# Altium PCB Master_v1i3.PcbDoc (continued)
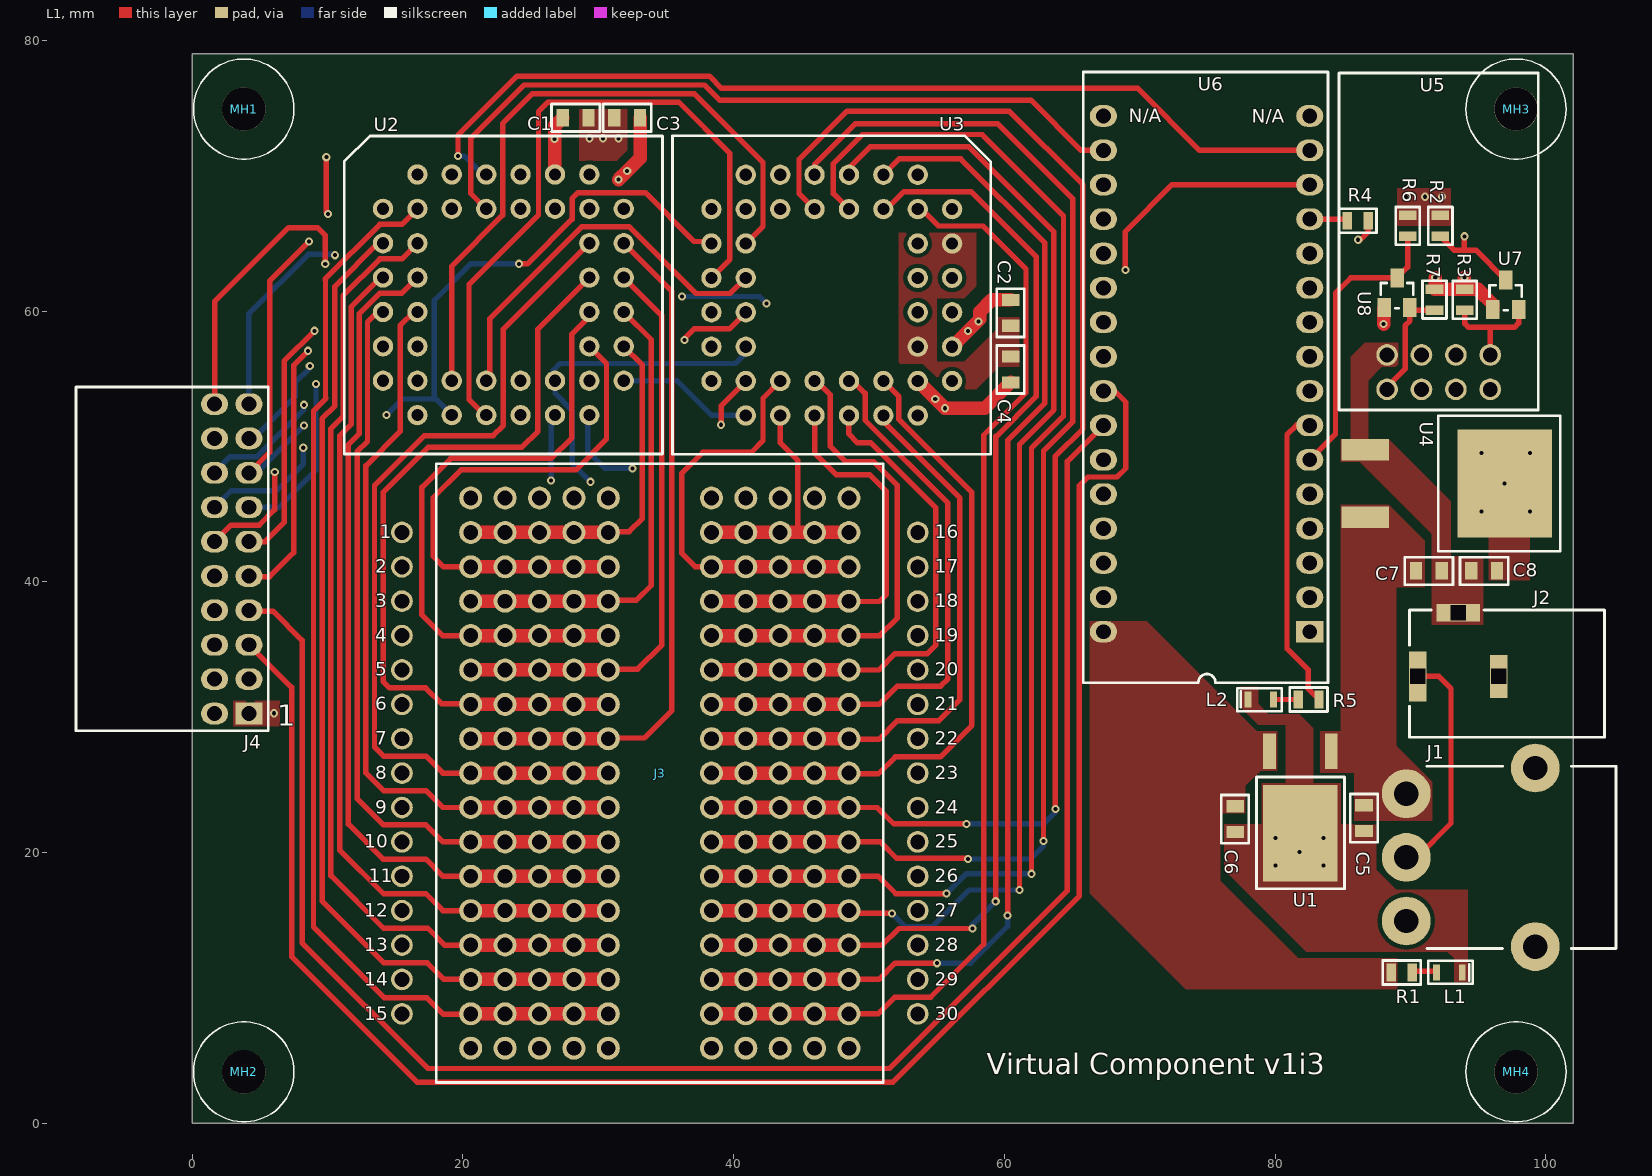
[diagram p0: L1 view]
## Footprints (in the part's own frame and the unit in brackets; to place one, negate y for a bottom-side part, rotate by r counter-clockwise, add the part's x,y. Pads: shape width x height; smd on the part's side, far side on the other; paste and mask are expansions set on the pad) (continued)
  silkscreen extent -16.51,-22.86 16.51,22.86, body extent -16.51,-22.86 16.51,22.86, height 9.54
PJ-002A [mm] "CONN PWR JACK 2X5.5MM SOLDER"
  rect 1.3x3.7 hole 1.1 square: 1(0,0)
  rect 1.3x3.2 hole 1.1 square: 2(6,0)
  rect 3.2x1.3 hole 1.1 square: 3(3,4.7)
  silkscreen extent -0.6,-4.5 13.8,4.9, body extent -0.6,-4.5 13.8,4.9, height 11.05
PLCC44_DIP [mm]
  round 1.5 hole 0.9: 1(1.27,6.35) 2(-1.27,8.89) 3(-1.27,6.35) 4(-3.81,8.89) 5(-3.81,6.35) 6(-6.35,8.89) 7(-8.89,6.35) 8(-6.35,6.35) 9(-8.89,3.81) 10(-6.35,3.81) 11(-8.89,1.27) 12(-6.35,1.27) 13(-8.89,-1.27) 14(-6.35,-1.27) 15(-8.89,-3.81) 16(-6.35,-3.81) 17(-8.89,-6.35) 18(-6.35,-8.89) 19(-6.35,-6.35) 20(-3.81,-8.89) 21(-3.81,-6.35) 22(-1.27,-8.89) 23(-1.27,-6.35) 24(1.27,-8.89) 25(1.27,-6.35) 26(3.81,-8.89) 27(3.81,-6.35) 28(6.35,-8.89) 29(8.89,-6.35) 30(6.35,-6.35) 31(8.89,-3.81) 32(6.35,-3.81) 33(8.89,-1.27) 34(6.35,-1.27) 35(8.89,1.27) 36(6.35,1.27) 37(8.89,3.81) 38(6.35,3.81) 39(8.89,6.35) 40(6.35,8.89) 41(6.35,6.35) 42(3.81,8.89) 43(3.81,6.35) 44(1.27,8.89)
  silkscreen extent -11.76,-11.76 11.76,11.73, body extent -11.59,-11.59 11.59,11.59, height 9
R0805 [mm]
  rect 0.7x1.3 smd: 1(-0.775,0) 2(0.775,0)
  silkscreen extent -1.4,-0.89 1.4,0.89, body extent -1.15,-0.67 1.15,0.68, height 0.77
"SLIDE SPDT" [mm] "500SSP1S1M6QEA"
  round 3.6 hole 1.8: 1(0,0) 2(4.7,0) 3(9.4,0) ""(-1.9,9.53) ""(11.3,9.53)
  silkscreen extent -2.03,1.52 11.43,15.49, body extent -2.03,-0.75 11.38,15.49, height 6.6
SOT-323 [mm]
  rect 1x1.4 smd: 1(-0.95,-1.1) 2(0.95,-1.1) 3(0,1.1)
  silkscreen extent -1.19,-1.14 1.19,0.71, body extent -1.05,-1.15 1.05,1.15, height 1

## Part data
C1 C2 C3 C4 C6: library part C805_100n
C5: library part C805_330n
C7 C8: library part C805_10u
J1: library part "SLIDE SPDT", "SWITCH SLIDE SPDT 5A 120V", Contact Current Rating=5A, Contact Resistance=10mR, Flammability Rating="UL94 V-0", Manufacturer=E-Switch, Max Operating Temperature=85°C, Max Voltage Rating (AC)=250V, Max Voltage Rating (DC)=28V, Min Operating Temperature=-30°C, Package Quantity=1, Supplier Part Number 1=EG2478-ND, Voltage Rating (AC)=120V, Actuator Length=4.72mm, Actuator Material=Nylon,Polyamide, ComponentLink1Description=https://datasheet.ciiva.com/16337/500-16337624.pdf, ComponentLink1URL=https://datasheet.ciiva.com/16337/500-16337624.pdf, ComponentLink2Description=https://datasheet.ciiva.com/16174/35500-16174234.pdf, ComponentLink2URL=https://datasheet.ciiva.com/16174/35500-16174234.pdf, ComponentLink3Description=https://datasheet.ciiva.com/2889/t511006d-2889419.pdf, ComponentLink3URL=https://datasheet.ciiva.com/2889/t511006d-2889419.pdf, Contact Material="Copper,Silver,Copper Alloy", Contact Plating=Silver, Current Rating=5A, Electrical Life=30000Cycles, Housing Material="Stainless Steel", Lead Free="Lead Free", Manufacturer Part Number=500SSP1S1M6QEA, Mechanical Life=30000Cycles, Mount="Through Hole,Brackets", Orientation="Right Angle", Packaging=Bulk, Pricing 1="1=2.93, 10=2.808, 25=2.7484, 50=2.39, 100=2.3303, 250=2.27052, 500=1.912, 1000=1.7925, 5000=1.64313 (USD)", REACH SVHC=Unknown, Stock 1=6111, Supplier 1=Digi-Key, Switch Function=On-On, Switch Travel=2.16mm, Termination="PC Pin", Throw Configuration=SPDT, Voltage Rating (DC)=28V
J2: "PJ-002 Series 2 x 6.5 mm 16 V Right Angle Through Hole Power Jack", Colour=Black, Current Rating=2.5A, Flammability Rating="UL94 V-0", Insulation Resistance=50MR, Manufacturer=CUI, Max Operating Temperature=85°C, Min Operating Temperature=-25°C, Package Quantity=500, Supplier Part Number 1=CP-002A-ND, Voltage Rating=24V, ComponentLink1Description=http://www.cui.com/product/resource/digikeypdf/pj-002a.pdf, ComponentLink1URL=http://www.cui.com/product/resource/digikeypdf/pj-002a.pdf, ComponentLink2Description=http://www.cui.com/Product/Resource/FuturePDF/PJ-002A.pdf, ComponentLink2URL=http://www.cui.com/Product/Resource/FuturePDF/PJ-002A.pdf, ComponentLink3Description=http://www.mouser.com/ds/2/670/pj-002a-515880.pdf, ComponentLink3URL=http://www.mouser.com/ds/2/670/pj-002a-515880.pdf, Connector Type=Jack, Contact Gender=Male, Contact Material="Copper,Copper Alloy", Contact Plating=Nickel,Tin, Diameter=2.1mm, Gender=Male, Housing Colour=Black, Housing Material=Thermoplastic, Lead Free="Lead Free", Manufacturer Part Number=PJ-002A, Mount="Through Hole", Number of Conductors=2, Orientation=Horizontal, Packaging=Bulk, Shielding=Unshielded, Stock 1=133077, Supplier 1=Digi-Key, Termination="Through Hole"
J3: library part 1738132-1, "Mini Breadboard", Colour=Natural, Manufacturer="TE Connectivity AMP", Supplier Part Number 1=1738132-1-ND, ComponentLink1Description=http://www.te.com/commerce/DocumentDelivery/DDEController?Action=srchrtrv&DocNm=1738132&DocType=Customer+Drawing&DocLang=English, ComponentLink1URL=http://www.te.com/commerce/DocumentDelivery/DDEController?Action=srchrtrv&DocNm=1738132&DocType=Customer+Drawing&DocLang=English, Gender=Male, Manufacturer Part Number=1738132-1, Stock 1=0, Supplier 1=Digi-Key
J4: library part "HDR Female 2x10_2.54", "CONN FMALE 20POS DL .1\" R/A GOLD", Colour=Black, Manufacturer=Sullins, Package Quantity=1000, Supplier Part Number 1=S5563-ND, ComponentLink1Description=http://www.sullinscorp.com/images/10494.pdf, ComponentLink1URL=http://www.sullinscorp.com/images/10494.pdf, ComponentLink2Description=http://sullinscorp.com/drawings/101_P(N)PxCxx2LJBN-RC,_10494-H.pdf, ComponentLink2URL=http://sullinscorp.com/drawings/101_P(N)PxCxx2LJBN-RC,_10494-H.pdf, Connector Type=Socket,Header, Contact Material=Bronze, Contact Plating=Gold, Height=5mm, Housing Colour=Black, Housing Material=Plastic, Lead Free="Lead Free", Length=25.9mm, Manufacturer Part Number=PPPC102LJBN-RC, Mount="Through Hole", Number of Positions=20, Number of Rows=2, Packaging=Bulk, Pitch=0.1inch, Row Spacing=0.1inch, Stock 1=12126, Supplier 1=Digi-Key, System=Connector, Termination=Solder, Width=8.5mm
L1 L2: "LED0805 any color"
MH1 MH2 MH3 MH4: library part MHNP, "Mounting hole 3.2mm non plated"
R1 R5: library part R0805_510
R2 R3 R4 R6 R7: library part R0805_10k
U1: "IC REG LDO 5V 1.5A DPAK", Case/Package=TO-252, Dropout Voltage=2V, Manufacturer=STMicroelectronics, Max Input Voltage=35V, Max Operating Temperature=125°C, Max Output Current=1.5A, Min Input Voltage=7V, Min Operating Temperature=0°C, Min Output Voltage=5V, Package Quantity=1, Power Supply Rejection Ratio (PSRR)=62dB, Quiescent Current=8mA, Supplier Part Number 1=497-7255-2-ND, ComponentLink1Description=https://datasheet.ciiva.com/2042/cd00000444-2042784.pdf, ComponentLink1URL=https://datasheet.ciiva.com/2042/cd00000444-2042784.pdf, ComponentLink2Description=https://datasheet.ciiva.com/2042/cd00000444-2042785.pdf, ComponentLink2URL=https://datasheet.ciiva.com/2042/cd00000444-2042785.pdf, ComponentLink3Description=https://datasheet.ciiva.com/16357/cd00000444-16357893.pdf, ComponentLink3URL=https://datasheet.ciiva.com/16357/cd00000444-16357893.pdf, ComponentLink4Description=https://datasheet.ciiva.com/4882/cd00000444-4882231.pdf, ComponentLink4URL=https://datasheet.ciiva.com/4882/cd00000444-4882231.pdf, ComponentLink5Description=https://datasheet.ciiva.com/17360/cd00000444-17360220.pdf, ComponentLink5URL=https://datasheet.ciiva.com/17360/cd00000444-17360220.pdf, ComponentLink6Description=https://datasheet.ciiva.com/2042/cd00000444-2042783.pdf, ComponentLink6URL=https://datasheet.ciiva.com/2042/cd00000444-2042783.pdf, ComponentLink7Description=https://datasheet.ciiva.com/26904/l7805cdt-tr-26904768.pdf, ComponentLink7URL=https://datasheet.ciiva.com/26904/l7805cdt-tr-26904768.pdf, Contact Plating=Tin,Matte, Height=2.4mm, Lead Free="Lead Free", Length=6.6mm, Manufacturer Part Number=L7805CDT-TR, Mount="Surface Mount", Number of Outputs=1, Number of Pins=3, Number of Regulators=1, Output Current=1.5A, Output Voltage=5V, Packaging="Tape and Reel", Polarity=Positive, Radiation Hardening=No, Stock 1=7500, Supplier 1=Digi-Key, Width=6.2mm
U2 U3: "SWITCH CROSSPOINT 16X16, SMD, 75019", Digital IC Case=LCC, Manufacturer="Analog Devices", Operating Temperature Max=85°C, Operating Temperature Min=-25°C, Supplier Part Number 1=AD75019JPZ-ND, Supply Voltage Max=5.5V, Supply Voltage Min=4.5V, ComponentLink1Description=https://datasheet.ciiva.com/3036/ad75019-3036466.pdf, ComponentLink1URL=https://datasheet.ciiva.com/3036/ad75019-3036466.pdf, ComponentLink2Description=https://datasheet.ciiva.com/1170/66420-1170438.pdf, ComponentLink2URL=https://datasheet.ciiva.com/1170/66420-1170438.pdf, ComponentLink3Description=https://datasheet.ciiva.com/26824/ad75019jpz-26824058.pdf, ComponentLink3URL=https://datasheet.ciiva.com/26824/ad75019jpz-26824058.pdf, Control Interface=Serial, Crosspoint Switch Type=Analogue, Input / Output Configuration=-, Manufacturer Part Number=AD75019JPZ, MSL="MSL 3 - 168 hours", No. of Pins=44Pins, Packaging=Each, Product Range=-, Stock 1=792, Supplier 1=Digi-Key, SVHC="No SVHC (17-Dec-2015)"
U4: "Fixed LDO Voltage Regulator, 6.3V to 30V, 1.3V Dropout, 3.3Vout, 3Aout, TO-263-3", Case/Package=TO-263, Dropout Voltage=1.3V, Input Bias Current=5mA, Manufacturer=STMicroelectronics, Max Input Voltage=30V, Max Operating Temperature=125°C, Max Output Current=3A, Max Output Voltage=3.333V, Min Input Voltage=6.3V, Min Operating Temperature=-40°C, Min Output Voltage=3.3V, Min Supply Voltage=4.9V, Output Voltage Accuracy=1%, Package Quantity=1, Quiescent Current=10mA, Supplier Part Number 1=497-1222-6-ND, Accuracy=1%, ComponentLink1Description=https://datasheet.ciiva.com/16375/cd00001883-16375381.pdf, ComponentLink1URL=https://datasheet.ciiva.com/16375/cd00001883-16375381.pdf, ComponentLink2Description=https://datasheet.ciiva.com/1511/1761309-1511542.pdf, ComponentLink2URL=https://datasheet.ciiva.com/1511/1761309-1511542.pdf, ComponentLink3Description=https://datasheet.ciiva.com/22694/1761309-22694841.pdf, ComponentLink3URL=https://datasheet.ciiva.com/22694/1761309-22694841.pdf, ComponentLink4Description=https://datasheet.ciiva.com/2044/cd00001883-2044187.pdf, ComponentLink4URL=https://datasheet.ciiva.com/2044/cd00001883-2044187.pdf, ComponentLink5Description=https://datasheet.ciiva.com/15111/getdatasheetpartid-65476-15111291.pdf, ComponentLink5URL=https://datasheet.ciiva.com/15111/getdatasheetpartid-65476-15111291.pdf, ComponentLink6Description=https://datasheet.ciiva.com/2044/cd00001883-2044188.pdf, ComponentLink6URL=https://datasheet.ciiva.com/2044/cd00001883-2044188.pdf, ComponentLink7Description=https://datasheet.ciiva.com/2044/cd00001883-2044189.pdf, ComponentLink7URL=https://datasheet.ciiva.com/2044/cd00001883-2044189.pdf, ComponentLink8Description=https://datasheet.ciiva.com/41439/001184676-da-01-en-ic-reg-ldo-3-3-ld1085d2t33r-to-263-3-stm-41439834.pdf, ComponentLink8URL=https://datasheet.ciiva.com/41439/001184676-da-01-en-ic-reg-ldo-3-3-ld1085d2t33r-to-263-3-stm-41439834.pdf, Contact Plating=Tin,Matte, Height=4.6mm, Lead Free="Lead Free", Length=10.4mm, Manufacturer Part Number=LD1085D2T33R, Max Supply Voltage=30V, Mount="Surface Mount", Nominal Output Voltage=3.3V, Number of Outputs=1, Number of Pins=3, Number of Regulators=1, Output Current=3A, Output Voltage=3.3V, Packaging="Tape and Reel", Polarity=Positive, Pricing 1="1=1.46, 10=1.305, 100=1.0176, 500=0.84066 (USD)", Radiation Hardening=No, REACH SVHC="No SVHC", Stock 1=5416, Supplier 1=Digi-Key, Termination=SMD/SMT, Weight=0.01lb, Width=9.35mm
U5: library part WRL-13678, "WIFI ESP8266 MOD WIFI TRACE ANT", Manufacturer=SparkFun, Supplier Part Number 1=1568-1235-ND, ComponentLink1Description=https://nurdspace.nl/images/e/e0/ESP8266_Specifications_English.pdf, ComponentLink1URL=https://nurdspace.nl/images/e/e0/ESP8266_Specifications_English.pdf, Manufacturer Part Number=WRL-13678, Pricing 1="1=6.95 (USD)", Stock 1=1618, Supplier 1=Digi-Key
U6: "ARDUINO   A000005   ATMEGA328, ARDUINO NANO, EVAL BOARD", Manufacturer=Arduino, Operating Supply Voltage=20V, Package Quantity=1, Supplier Part Number 1=1050-1001-ND, ComponentLink1Description=https://datasheet.ciiva.com/19455/2121148-19455443.pdf, ComponentLink1URL=https://datasheet.ciiva.com/19455/2121148-19455443.pdf, ComponentLink2Description=https://datasheet.ciiva.com/1336/1682238-1336473.pdf, ComponentLink2URL=https://datasheet.ciiva.com/1336/1682238-1336473.pdf, ComponentLink3Description=https://datasheet.ciiva.com/1414/810078-1414124.pdf, ComponentLink3URL=https://datasheet.ciiva.com/1414/810078-1414124.pdf, ComponentLink4Description=https://datasheet.ciiva.com/2398/arduinonanomanual23-2398236.pdf, ComponentLink4URL=https://datasheet.ciiva.com/2398/arduinonanomanual23-2398236.pdf, ComponentLink5Description=https://datasheet.ciiva.com/4926/arduino-arduinoboardnano-188748-4926316.pdf, ComponentLink5URL=https://datasheet.ciiva.com/4926/arduino-arduinoboardnano-188748-4926316.pdf, ComponentLink6Description=https://datasheet.ciiva.com/20168/73-4448-20168542.pdf, ComponentLink6URL=https://datasheet.ciiva.com/20168/73-4448-20168542.pdf, ComponentLink7Description=https://datasheet.ciiva.com/12069/arduino-arduinoboardnano-12069727.pdf, ComponentLink7URL=https://datasheet.ciiva.com/12069/arduino-arduinoboardnano-12069727.pdf, Core Architecture=AVR, Data Bus Width=8b, Evaluation Kit=Yes, Height=0.25inch, Interface=I2C,SPI,USB, Length=7inch, Manufacturer Part Number=A000005, Number of Bits=8, Packaging=Bulk, REACH SVHC="No SVHC", Stock 1=0, Supplier 1=Digi-Key, Weight=0.02lb, Width=5inch
U7 U8: "MOSFET 50V N-CH Logic Level", Drain-Source On Resistance-Max="3.5 O", Drain-to-Source Voltage [Vdss]="50 V", Manufacturer="Fairchild Semiconductor", Rated Power Dissipation="340 mW", Supplier Part Number 1=BSS138WCT-ND, Channel Type=N-Channel, ComponentLink1Description=https://datasheet.ciiva.com/17170/bss138w-17170739.pdf, ComponentLink1URL=https://datasheet.ciiva.com/17170/bss138w-17170739.pdf, ComponentLink2Description=https://datasheet.ciiva.com/8115/bss138w-8115367.pdf, ComponentLink2URL=https://datasheet.ciiva.com/8115/bss138w-8115367.pdf, ComponentLink3Description=https://datasheet.ciiva.com/15043/bss138w-15043927.pdf, ComponentLink3URL=https://datasheet.ciiva.com/15043/bss138w-15043927.pdf, ComponentLink4Description=https://datasheet.ciiva.com/15043/bss138w-15043928.pdf, ComponentLink4URL=https://datasheet.ciiva.com/15043/bss138w-15043928.pdf, ComponentLink5Description=https://datasheet.ciiva.com/15043/bss138w-15043929.pdf, ComponentLink5URL=https://datasheet.ciiva.com/15043/bss138w-15043929.pdf, ComponentLink6Description=https://datasheet.ciiva.com/8115/bss138w-8115370.pdf, ComponentLink6URL=https://datasheet.ciiva.com/8115/bss138w-8115370.pdf, ComponentLink7Description=https://datasheet.ciiva.com/26146/bss138w-26146843.pdf, ComponentLink7URL=https://datasheet.ciiva.com/26146/bss138w-26146843.pdf, ComponentLink8Description=https://datasheet.ciiva.com/13042/bss138w-91619-13042909.pdf, ComponentLink8URL=https://datasheet.ciiva.com/13042/bss138w-91619-13042909.pdf, Manufacturer Part Number=BSS138W, Qg Gate Charge="1.1 nC", Stock 1=55420, Supplier 1=Digi-Key

## Via types
v1: diameter 0.6, hole 0.3, L1 to L4, tented both sides, 38 vias
v2: diameter 0.6/0.6/0.6 (per signal layer), hole 0.3, L1 to L4, tented both sides, 27 vias

## Nets (pads, with @x,y where several pads share a name; then routed paths per layer and width w, separated by ;. In a path a pad name is that pad's centre, name@x,y a point inside that pad or via, vN(x,y) a via of type N, cw(c..) or ccw(c..) an arc to the next point about the centre after c; other vN are vias at no path point)
+3: C8.2 R3.2 R7.2 U4.4 U5.2 U5.4 U7.1 U8.1 | length 8.9
  L1 w1: v2(88.011,59.055) 88.011,60.226 U8.1 ; v2(91.821,62.484) 91.821,61.684 R7.2 R3.2@93.98,61.633 ; v2(93.98,62.484) R3.2@93.98,61.633 ; U7.1 96.078,60.513 94.983,61.608 R3.2 R3.2@93.98,61.633 ; U4.4@96.378,46.695 v2(96.952,47.269)
  other v2: 95.25,45.212 98.806,45.212 95.25,49.53 98.806,49.53
+5: C1.2 C2.2 C6.2 J4.1 R1.2 R2.2 R6.2 U1.3 U2.42 U3.42 U6.30 | length 10.7
  L1 w1: J4.1 4.293,30.378 J4.1@4.369,30.302 ; U2.42 26.797,73.721 C1.2 ; U3.42 58.166,59.411 58.166,59.944 59.05,60.828 C2.2
  other v2: 6.045,30.302 57.302,58.547 58.09,59.233 89.662,68.453 91.059,68.453 92.329,68.453 26.772,72.72
+12: C3.1 C4.1 C5.2 C7.2 J1.1 U1.1 U2.41 U3.41 U4.3 | length 16.8
  L1 w0.8: 33.081,71.306 33.147,71.372 33.147,74.229 C3.1
  L1 w1: v2(31.498,69.723) v2(32.133,70.358) 33.081,71.306 C3.1 ; U3.41 v2(55.601,52.832) 58.542,52.832 C4.1
  other v2: 54.889,53.518
ARDU_RX: R6.1 U6.6 U8.3 | length 21.5
  L1 w0.4: U6.6 84.455,50.927 84.455,61.341 85.58,62.466 U8.3 89.789,63.254 R6.1
ARDU_TX: R2.1 U6.5 U7.3 | length 34.7
  L1 w0.4: R2.1 93.218,64.516 93.98,64.516 ; v1(93.98,65.532) 93.98,64.516 ; U7.3 94.826,64.516 93.98,64.516
  L3 w0.4: U6.5 83.007,46.482 84.861,48.336 84.861,62.382 88.011,65.532 v1(93.98,65.532)
BB1: J3.1 U2.31 | length 26.5
  L1 w0.4: J3.1@25.485,43.713 J3.1@25.654,43.713 ; J3.1@30.734,43.713 32.283,43.713 33.249,44.679 33.249,56.03 U2.31
  L1 w1: J3.1@20.574,43.657 23.114,43.657 25.654,43.657 28.194,43.657 J3.1@30.734,43.657
BB2: J3.2 U2.32 | length 39.6
  L1 w0.4: J3.2@20.574,41.117 18.567,41.117 17.805,41.879 17.805,46.228 19.863,48.285 28.346,48.285 30.607,50.546 30.607,56.132 U2.32
  L1 w1: J3.2@20.574,41.117 23.114,41.117 25.654,41.117 28.194,41.117 J3.2@30.734,41.117
BB3: J3.3 U2.33 | length 35
  L1 w0.4: J3.3@25.485,38.633 J3.3@25.654,38.633 ; J3.3@30.734,38.633 32.791,38.633 33.909,39.751 33.909,57.91 U2.33
  L1 w1: J3.3@20.574,38.577 23.114,38.577 25.654,38.577 28.194,38.577 J3.3@30.734,38.577
BB4: J3.4 U2.34 | length 46.2
  L1 w0.4: J3.4@20.574,36.037 18.497,36.037 16.967,37.567 16.967,46.99 19.101,49.124 26.518,49.124 28.042,50.648 28.042,58.311 29.337,59.606 U2.34
  L1 w1: J3.4@20.574,36.037 23.114,36.037 25.654,36.037 28.194,36.037 J3.4@30.734,36.037
BB5: J3.5 U2.35 | length 43.3
  L1 w0.4: J3.5@25.485,33.553 J3.5@25.654,33.553 ; J3.5@30.734,33.553 32.902,33.553 34.671,35.322 34.671,59.688 U2.35
  L1 w1: J3.5@20.574,33.497 23.114,33.497 25.654,33.497 28.194,33.497 J3.5@30.734,33.497
BB6: J3.6 U2.36 | length 57.5
  L1 w0.4: J3.6@20.574,31.013 18.415,31.013 17.247,32.182 14.58,32.182 14.11,32.652 14.11,46.622 17.45,49.962 24.359,49.962 25.527,51.13 25.527,58.672 U2.36
  L1 w1: J3.6@20.574,30.957 23.114,30.957 25.654,30.957 28.194,30.957 J3.6@30.734,30.957
BB7: J3.7 U2.37 | length 51.7
  L1 w0.4: J3.7@30.734,28.473 33.401,28.473 35.433,30.505 35.433,61.466 U2.37
  L1 w1: J3.7@20.574,28.417 23.114,28.417 25.654,28.417 28.194,28.417 J3.7@30.734,28.417
BB8: J3.8 U2.38 | length 64.8
  L1 w0.4: J3.8@20.574,25.877 18.517,25.877 17.266,27.127 14.131,27.127 13.466,27.792 13.466,47.121 17.145,50.8 22.225,50.8 22.987,51.562 22.987,58.672 U2.38
  L1 w1: J3.8@20.574,25.877 23.114,25.877 25.654,25.877 28.194,25.877 J3.8@30.734,25.877
BB9: J3.9 U2.14 | length 54.7
  L1 w0.4: U2.14 16.381,59.942 15.367,58.928 15.367,51.119 12.822,48.575 12.822,25.896 14.131,24.587 17.267,24.587 18.517,23.337 J3.9@20.574,23.337
  L1 w1: J3.9@20.574,23.337 23.114,23.337 25.654,23.337 28.194,23.337 J3.9@30.734,23.337
BB10: J3.10 U2.13 | length 56.9
  L1 w0.4: U2.13 13.688,59.942 12.947,59.2 12.947,50.387 12.179,49.618 12.179,24 14.129,22.049 17.264,22.049 18.517,20.797 J3.10@20.574,20.797
  L1 w1: J3.10@20.574,20.797 23.114,20.797 25.654,20.797 28.194,20.797 J3.10@30.734,20.797
BB11: J3.11 U2.12 | length 64.2
  L1 w0.4: U2.12 15.487,61.332 13.861,61.332 12.347,59.818 12.347,50.955 11.535,50.143 11.535,22.103 14.11,19.528 17.271,19.528 18.542,18.257 J3.11@20.574,18.257
  L1 w1: J3.11@20.574,18.257 23.114,18.257 25.654,18.257 28.194,18.257 J3.11@30.734,18.257
BB12: J3.12 U2.11 | length 65.4
  L1 w0.4: U2.11 13.915,62.482 11.741,60.307 11.741,51.644 10.891,50.795 10.891,20.207 14.131,16.967 17.266,16.967 18.517,15.717 J3.12@20.574,15.717
  L1 w1: J3.12@20.574,15.717 23.114,15.717 25.654,15.717 28.194,15.717 J3.12@30.734,15.717
BB13: J3.13 U2.10 | length 72.9
  L1 w0.4: U2.10 15.487,63.872 13.861,63.872 11.141,61.152 11.141,52.213 10.247,51.319 10.247,18.311 14.139,14.419 17.407,14.419 18.649,13.177 J3.13@20.574,13.177
  L1 w1: J3.13@20.574,13.177 23.114,13.177 25.654,13.177 28.194,13.177 J3.13@30.734,13.177
BB14: J3.14 U2.9 | length 74.2
  L1 w0.4: U2.9 13.739,65.022 10.541,61.824 10.541,53.01 9.604,52.073 9.604,16.414 14.152,11.866 17.364,11.866 18.593,10.637 J3.14@20.574,10.637
  L1 w1: J3.14@20.574,10.637 23.114,10.637 25.654,10.637 28.194,10.637 J3.14@30.734,10.637
BB15: J3.15 U2.8 | length 81.7
  L1 w0.4: 14.182,9.296 8.96,14.518 8.96,52.64 9.885,53.565 9.844,53.605 9.844,62.288 9.826,62.306 9.826,62.377 13.861,66.412 15.487,66.412 U2.8 ; 14.182,9.297 17.322,9.297 18.542,8.077 J3.15@20.574,8.077
  L1 w1: J3.15@20.574,8.097 23.114,8.097 25.654,8.097 28.194,8.097 J3.15@30.734,8.097
BB16: J3.16 U3.31 | length 19.3
  L1 w0.4: U3.31 43.434,50.285 44.724,48.995 44.724,43.677 44.704,43.657
  L1 w1: J3.16@38.354,43.657 40.894,43.657 43.434,43.657 44.704,43.657 45.974,43.657 J3.16@48.514,43.657
BB17: J3.17 U3.32 | length 30.6
  L1 w0.4: J3.17@38.354,41.117 37.166,41.117 36.17,42.113 36.17,48.031 37.719,49.581 41.3,49.581 42.164,50.444 42.164,53.569 U3.32
  L1 w1: J3.17@38.354,41.117 40.894,41.117 43.434,41.117 45.974,41.117 J3.17@48.514,41.117
BB18: J3.18 U3.33 | length 30
  L1 w0.4: U3.33 45.974,49.53 47.574,47.93 50.038,47.93 51.283,46.685 51.283,39.078 50.762,38.557 J3.18@48.514,38.557
  L1 w1: J3.18@38.354,38.577 40.894,38.577 43.434,38.577 45.974,38.577 J3.18@48.514,38.577
BB19: J3.19 U3.34 | length 35.6
  L1 w0.4: U3.34 46.126,54.839 47.142,53.823 47.142,50.013 48.26,48.895 50.317,48.895 52.084,47.129 52.084,37.346 50.775,36.037 J3.19@48.514,36.037
  L1 w1: J3.19@38.354,36.037 40.894,36.037 43.434,36.037 45.974,36.037 J3.19@48.514,36.037
BB20: J3.20 U3.35 | length 37.5
  L1 w0.4: J3.20@48.514,33.497 50.724,33.497 51.924,34.697 54.305,34.697 54.94,35.332 54.94,45.466 50.127,50.279 49.162,50.279 48.514,50.927 U3.35
  L1 w1: J3.20@38.354,33.497 40.894,33.497 43.434,33.497 45.974,33.497 J3.20@48.514,33.497
BB21: J3.21 U3.36 | length 43.4
  L1 w0.4: J3.21@48.514,30.957 50.744,30.957 52.084,32.297 55.284,32.297 55.823,32.836 55.823,45.828 49.708,51.943 49.708,53.924 48.793,54.839 U3.36
  L1 w1: J3.21@38.354,30.957 40.894,30.957 43.434,30.957 45.974,30.957 J3.21@48.514,30.957
BB22: J3.22 U3.37 | length 42.9
  L1 w0.4: J3.22@48.514,28.372 50.724,28.372 52.109,29.757 55.157,29.757 56.706,31.305 56.706,46.19 51.054,51.841 U3.37
  L1 w1: J3.22@38.354,28.417 40.894,28.417 43.434,28.417 45.974,28.417 J3.22@48.514,28.417
BB23: J3.23 U3.38 | length 48.9
  L1 w0.4: J3.23@48.514,25.832 50.698,25.832 51.944,27.077 55.271,27.077 57.588,29.394 57.588,46.613 52.204,51.997 52.204,53.689 U3.38
  L1 w1: J3.23@38.354,25.877 40.894,25.877 43.434,25.877 45.974,25.877 J3.23@48.514,25.877
BB24: J3.24 U3.14 | length 102.3
  L1 w0.4: U3.14 44.824,68.689 44.824,71.215 48.387,74.778 60.35,74.778 65.786,69.342 65.786,51.308 63.767,49.289 v1(63.767,23.241) ; J3.24@48.514,23.337 50.602,23.337 51.802,22.137 57.162,22.137 57.175,22.123 v1(57.201,22.123)
  L1 w1: J3.24@38.354,23.337 40.894,23.337 43.434,23.337 45.974,23.337 J3.24@48.514,23.337
  L4 w0.4: v1(57.201,22.123) 62.89,22.123 63.767,23 v1(63.767,23.241)
BB25: J3.25 U3.13 | length 97.9
  L1 w0.4: U3.13@45.974,70.485 U3.13 45.974,70.841 48.984,73.85 59.5,73.85 65.049,68.301 65.049,51.841 62.884,49.676 v1(62.884,20.853) ; J3.25@48.514,20.797 50.831,20.797 52.045,19.583 57.252,19.583 v1(57.302,19.533)
  L1 w1: J3.25@38.354,20.797 40.894,20.797 43.434,20.797 45.974,20.797 J3.25@48.514,20.797
  L4 w0.4: v1(57.302,19.533) 61.925,19.533 62.884,20.491 v1(62.884,20.853)
BB26: J3.26 U3.12 | length 98.6
  L1 w0.4: J3.26@48.514,18.257 50.685,18.257 51.975,16.967 55.677,16.967 55.702,16.993 v1(55.728,16.993) ; U3.12 47.364,68.689 47.364,70.91 49.505,73.05 58.352,73.05 64.364,67.039 64.364,52.248 62.001,49.886 v1(62.001,18.44)
  L1 w1: J3.26@38.354,18.257 40.894,18.257 43.434,18.257 45.974,18.257 J3.26@48.514,18.257
  L4 w0.4: v1(55.728,16.993) 57.175,18.44 v1(62.001,18.44)
BB27: J3.27 U3.11 | length 92.9
  L1 w0.4: J3.27@48.514,15.519 v1(51.689,15.519) ; U3.11 48.514,70.587 50.089,72.161 57.357,72.161 63.652,65.866 63.652,52.705 61.112,50.165 v1(61.112,17.247)
  L1 w1: J3.27@38.354,15.717 40.894,15.717 43.434,15.717 45.974,15.717 J3.27@48.514,15.717
  L4 w0.4: v1(51.689,15.519) 52.691,14.517 54.649,14.517 57.379,17.247 v1(61.112,17.247)
BB28: J3.28 U3.10 | length 85.2
  L1 w0.4: J3.28@48.514,13.177 50.972,13.177 52.197,14.402 v1@57.582,14.402 ; U3.10 51.283,67.539 52.578,68.834 57.531,68.834 62.357,64.008 62.357,53.721 59.395,50.759 59.353,50.759 v1(59.353,16.408)
  L1 w1: J3.28@38.354,13.177 40.894,13.177 43.434,13.177 45.974,13.177 J3.28@48.514,13.177
  L4 w0.4: v1(57.633,14.402) 57.633,14.688 v1(59.353,16.408)
BB29: J3.29 U3.9 | length 90.1
  L1 w0.4: J3.29@48.514,10.637 50.718,10.637 51.918,11.837 v1(55.016,11.836) ; U3.9 52.222,71.247 56.769,71.247 62.992,65.024 62.992,53.213 60.236,50.457 v1(60.236,15.372)
  L1 w1: J3.29@38.354,10.637 40.894,10.637 43.434,10.637 45.974,10.637 J3.29@48.514,10.637
  L4 w0.4: v1(55.016,11.836) 57.506,11.836 60.236,14.567 v1(60.236,15.372)
BB30: J3.30 U3.8 | length 83.3
  L1 w0.4: J3.30@48.514,8.097 50.673,8.097 51.892,9.316 51.892,9.322 54.544,9.322 58.471,13.249 58.471,50.851 61.595,53.975 61.595,63.119 58.42,66.294 55.118,66.294 53.873,67.539 U3.8
  L1 w0.5: J3.30@38.354,8.077 J3.30@38.354,8.097
  L1 w1: J3.30@38.354,8.097 40.894,8.097 43.434,8.097 45.974,8.097 J3.30@48.514,8.097
GND: C1.1 C2.1 C3.2 C4.2 C5.1 C6.1 C7.1 C8.1 J2.2 J2.3 J3.31 J4.2 L1.1 L2.1 U1.4 U2.4 U2.43 U3.4 U3.43 U4.1 U5.8 U6.4 U6.29 | length 0.4
  L1 w1: U6.4 U6.4@82.804,43.688
  other v2: 80.01,19.05 83.566,19.05 81.788,20.066 80.01,21.082 83.566,21.082 29.337,72.771 30.353,72.771 31.496,72.771
LED: R5.2 U6.7 | length 22.5
  L1 w0.4: U6.7 81.559,51.562 80.874,50.876 80.874,35.077 82.436,33.515 82.436,32.118 R5.2
NetJ1_2: J1.2 J2.1 | length 17.1
  L1 w0.4: J1.2 90.471,19.656 92.989,22.174 92.989,32.131 92.1,33.02 J2.1
NetL1_2: L1.2 R1.1 | length 1.9
  L1 w0.4: R1.1 90.195,11.227 L1.2@91.938,11.227
NetL2_2: L2.2 R5.1 | length 1.8
  L1 w0.4: L2.2 R5.1
NetR4_1: R4.1 U5.3 | length 33
  L1 w0.4: v1(86.131,65.278) 86.284,65.278 86.868,65.862 R4.1
  L3 w0.4: v1(86.131,65.278) 87.655,66.802 97.307,66.802 98.476,65.634 98.476,54.305 96.876,52.705 94.869,52.705 U5.3
PCLK: U2.1 U3.1 U6.14 | length 68.4
  L1 w0.4: v1(68.936,63.043) 68.936,65.888 72.39,69.342 U6.14
  L3 w0.4: U2.1 24.257,65.405 25.908,63.754 33.528,63.754 v1(36.195,61.087) ; v1(42.418,60.579) 43.18,59.817 53.492,59.817 U3.1 54.864,61.189 62.84,61.189 64.694,63.043 v1(68.936,63.043)
  L4 w0.4: v1(36.195,61.087) 41.91,61.087 v1(42.418,60.579)
RESET: R4.2 U6.13 | length 2.8
  L1 w0.4: U6.13 85.191,66.802 R4.2
SCL: J4.4 U6.24 | length 128.5
  L1 w0.4: J4.4 4.242,37.846 5.969,37.846 8.128,35.687 8.128,13.335 17.407,4.056 51.503,4.056 64.649,17.202 64.649,48.901 U6.24
SCLK: U2.2 U3.2 U6.15 | length 113
  L1 w0.4: v1(19.634,71.45) 19.634,73 23.995,77.36 38.21,77.36 39.116,76.454 69.85,76.454 74.422,71.882 U6.15
  L3 w0.4: U2.2 23.599,71.984 33.5,71.984 35.179,70.305 35.179,65.761 37.186,63.754 54.839,63.754 U3.2
  L4 w0.4: v1(19.634,71.45) 20.117,71.45 21.465,70.102 U2.2
SDA: J4.3 U6.23 | length 133.2
  L1 w0.4: J4.3 7.341,32.207 7.341,12.319 16.612,3.048 51.765,3.048 65.532,16.815 65.532,47.117 66.167,47.752 68.326,47.752 68.961,48.387 68.961,53.289 68.148,54.102 U6.23
SIN: U2.3 U6.16 | length 56.1
  L1 w0.4: U2.3 20.567,68.712 20.567,72.764 24.511,76.708 37.846,76.708 38.968,75.586 61.955,75.586 65.659,71.882 U6.16
SOUT: U2.44 U3.3 | length 37.5
  L3 w0.4: U2.44 25.529,71.374 32.639,71.374 34.29,69.723 34.29,64.896 38.118,61.069 41.765,61.069 43.155,62.459 U3.3
WIFI_RX: R3.1 U5.5 U7.2 | length 8.2
  L1 w0.4: R3.1 94.005,59.08 94.285,58.801 95.91,58.801 ; U5.5 95.885,58.776 95.91,58.801 ; U7.2 97.978,59.116 97.663,58.801 95.91,58.801
WIFI_TX: R7.1 U5.1 U8.2 | length 8.4
  L1 w0.4: U5.1 88.265,54.407 89.605,55.747 89.605,58.928 89.952,59.275 U8.2 ; U8.2@90.135,60.083 R7.1
X0: J4.5 U2.15 U3.15 | length 79.3
  L1 w0.4: J4.5 4.242,40.386 5.715,40.386 7.493,42.164 7.493,56.005 v1(8.562,57.074) v1@8.565,57.074 ; v1(9.906,71.374) 9.906,67.31 v1(10.033,67.183)
  L3 w0.4: v1(9.906,71.374) 10.033,71.374 15.668,77.009 36.503,77.009 U3.15 ; v1(10.033,67.183) 10.033,65.558 7.996,63.521 7.925,63.521 7.925,57.711 v1(8.562,57.074) 13.769,57.074 U2.15
X1: J4.6 U2.16 U3.16 | length 77.8
  L1 w0.4: J4.6 5.385,42.977 6.796,44.388 6.796,56.323 v1(9.025,58.552)
  L3 w0.4: U2.16 15.487,58.552 v1(9.025,58.552) 9.025,63.701 11.811,66.488 11.811,68.834 17.297,74.32 ; 17.297,74.33 33.829,74.33 ; 33.829,74.32 37.084,71.065 37.084,67.182 37.878,66.389 ; 37.878,66.389 37.973,66.294 42.189,66.294 U3.16
X2: J4.7 U2.17 U3.17 | length 73
  L3 w0.4: U2.17 13.845,54.61 v1(9.144,54.61) 8.128,54.61 6.401,56.337 6.401,66.726 16.018,76.343 35.544,76.343 40.894,70.993 U3.17
  L4 w0.4: J4.7 6.401,45.517 9.144,48.26 v1(9.144,54.61)
X3: J4.8 U2.18 U3.18 | length 73.1
  L1 w0.4: J4.8 5.715,49.581 5.715,62.23 v1(8.636,65.151)
  L3 w0.4: v1(8.255,51.562) 15.877,51.562 U2.18 ; v1(8.636,65.151) 8.636,67.005 16.631,75 34.347,75 38.354,70.993 U3.18
  L4 w0.4: J4.8 4.75,48.057 v1(8.255,51.562)
X4: J4.9 U2.19 U3.19 | length 69.4
  L3 w0.4: U2.19 15.487,56.012 8.742,56.012 v1(8.687,55.956) 8.433,55.956 7.137,57.252 7.137,66.446 16.361,75.67 34.947,75.67 39.497,71.12 39.497,68.936 U3.19
  L4 w0.4: J4.9 4.521,50.597 7.605,53.681 7.605,54.722 8.687,55.804 v1(8.687,55.956)
X5: J4.10 U2.20 U3.20 | length 103.4
  L1 w0.4: v1(24.13,63.5) 24.765,63.5 28.067,66.802 28.067,68.326 28.499,68.758 33.477,68.758 37.084,65.151 38.202,65.151 U3.20
  L3 w0.4: J4.10 7.061,53.137 7.874,52.324 v1(14.351,52.324) ; v1(10.541,64.135) 12.692,66.286 12.692,68.521 17.831,73.66 33.147,73.66 36.22,70.587 36.22,66.802 38.024,64.999 U3.20
  L4 w0.4: J4.10 4.191,59.817 8.574,64.2 10.476,64.2 v1(10.541,64.135) ; v1(14.351,52.324) 15.539,53.512 17.882,53.512 17.882,60.808 20.574,63.5 v1(24.13,63.5) ; 18.032,53.467 U2.20
X6: J4.11 U2.21 U3.21 | length 85.1
  L1 w0.4: J4.11 1.651,60.706 7.112,66.167 9.271,66.167 9.83,65.608 v1(9.83,63.5) ; U2.21 19.177,63.33 22.936,67.089 22.936,73.863 25.146,76.073 37.084,76.073 42.164,70.993 42.164,66.269 U3.21
  L3 w0.4: v1(9.83,63.5) 12.238,61.092 17.267,61.092 19.177,59.182 U2.21
X7: J4.12 U2.22 U3.22 | length 73.1
  L1 w0.4: U2.22 21.592,52.322 20.447,53.467 20.447,61.976 25.578,67.107 25.578,74.735 26.281,75.438 35.941,75.438 39.715,71.664 39.715,63.82 U3.22
  L3 w0.4: J4.12 2.921,51.867 5.156,51.867 6.401,50.622 20.65,50.622 21.717,51.689 U2.22
X8: J4.13 U2.23 U3.23 | length 52.1
  L1 w0.4: U2.23 21.986,55.131 21.986,59.451 28.778,66.243 32.282,66.243 37.216,61.309 39.744,61.309 U3.23
  L3 w0.4: v1(8.255,53.086) 8.814,53.645 20.5,53.645 U2.23
  L4 w0.4: J4.13 1.651,48.133 2.775,49.257 4.781,49.257 8.255,52.73 v1(8.255,53.086)
X9: J4.14 U2.24 U3.24 | length 78.6
  L3 w0.4: J4.14 2.896,46.761 9.068,46.761 10.617,48.311 26.213,48.311 28.414,50.512 34.281,50.512 37.218,53.449 41.511,53.449 42.24,54.178 42.24,57.709 41.42,58.529 39.744,58.529 U3.24 ; v1(8.204,49.911) 21.846,49.911 U2.24
  L4 w0.4: J4.14 2.87,46.736 6.223,46.736 8.204,48.717 v1(8.204,49.911)
X10: J4.15 U2.25 U3.25 | length 52.3
  L1 w0.4: J4.15 2.87,44.196 4.953,44.196 6.096,45.339 v1(6.096,48.133) ; v1(36.373,57.861) 36.373,57.988 37.084,58.699 39.675,58.699 U3.25
  L3 w0.4: J4.15 J4.15@1.702,42.977 ; v1(6.096,48.133) 8.763,48.133 9.754,49.124 22.685,49.124 25.629,52.067 25.629,56.337 27.915,58.623 35.103,58.623 35.865,57.861 v1(36.373,57.861) ; U2.25 25.355,54.862 25.357,54.864
X11: J4.16 U2.26 U3.26 | length 48
  L3 w0.4: J4.16 2.083,40.437 3.302,41.656 6.172,41.656 12.014,47.498 v1(26.518,47.498) ; U2.26 27.049,52.322 28.067,53.34 28.067,55.372 28.829,56.134 34.823,56.134 35.763,57.074 38.049,57.074 U3.26 U3.26@37.948,57.379
  L4 w0.4: v1(26.518,47.498) 26.518,52.042 U2.26
X12: J4.17 U2.27 U3.27 | length 58.8
  L3 w0.4: J4.17 2.083,37.897 3.302,39.116 7.01,39.116 10.312,42.418 10.323,42.407 28.712,42.407 29.444,43.139 29.444,47.366 v1(29.413,47.396)
  L4 w0.4: v1(29.413,47.396) 28.067,48.743 28.067,52.678 26.797,53.948 26.797,55.499 26.67,55.626 27.178,56.134 40.132,56.134 40.894,56.896 U3.27
X13: J4.18 U2.28 U3.28 | length 57.1
  L3 w0.4: J4.18 2.21,35.357 3.454,36.601 7.62,36.601 10.897,39.878 10.908,39.867 31.252,39.867 32.502,41.117 32.512,41.117 v1(32.512,48.387) ; U2.28 34.491,52.322 37.008,54.839 U3.28
  L4 w0.4: U2.28 29.21,52.195 29.21,49.657 30.48,48.387 v1(32.512,48.387)
X14: J4.19 U2.29 U3.29 | length 62.6
  L3 w0.4: J4.19 2.87,34.036 8.001,34.036 11.328,37.363 11.365,37.327 31.46,37.327 33.909,39.776 33.909,48.387 37.988,52.466 40.727,52.466 U3.29
  L4 w0.4: U2.29 35.816,54.862 38.365,52.313 40.894,52.313 U3.29
X15: J4.20 U2.30 U3.30 | length 71.4
  L1 w0.4: v1(39.065,51.613) 39.065,53.01 U3.30
  L3 w0.4: J4.20 1.702,30.277 2.921,31.496 8.636,31.496 11.938,34.798 18.288,34.798 18.299,34.787 33.771,34.787 35.306,36.322 35.306,48.006 38.913,51.613 v1(39.065,51.613) ; U2.30 30.808,53.391 33.807,53.391 36.551,56.134 40.386,56.134 40.894,55.626 U3.30
pads on no net: J1. J1.3 J3. MH1.1 MH2.1 MH3.1 MH4.1 U2.5 U2.6 U2.7 U2.39 U2.40 U3.5 U3.6 U3.7 U3.39 U3.40 U3.44 U5.6 U5.7 U6. U6.1 U6.2 U6.3 U6.8 U6.9 U6.10 U6.11 U6.12 U6.17 U6.18 U6.19 U6.20 U6.21 U6.22 U6.25 U6.26 U6.27 U6.28

## Polygon pours and split planes (outlines as drawn)
+12 on L4 "L3-+12" (solid, pour order 74): 51,49.583 42.087,58.496 27.94,58.496 27.94,68.58 29.108,68.58 31.648,71.12 38.405,71.12 58.928,50.597 58.928,32.512 61.468,29.972 90.424,29.972 95.504,24.892 95.504,22.352 67.056,22.352 64.516,24.892 52.324,24.892 51,26.216
+3 on L4 "L4-+3" (solid, pour order 92): 86.995,61.214 88.9,63.119 100.457,63.119 100.457,43.18 95.885,43.18 93.345,43.18 93.345,50.8 91.44,52.705 86.995,52.705
+5 on L4 "L3-+5" (solid, pour order 76): 56.54,58.42 61.976,63.932 61.976,67.564 55.88,73.66 27.94,73.66 27.94,69.088 25.4,69.088 25.4,72.136 16.561,72.136 12.7,68.275 12.7,52.324 14.046,50.978 14.046,29.464 12.7,29.464 3.15,29.464 3.15,31.191 4.547,31.191 9.538,36.182 10.16,36.576 10.16,60.96 11.125,61.925 11.125,70.561 17.424,76.86 89.764,76.86 97.028,69.596 97.028,67.285 86.385,67.285 85.141,66.04 85.141,32.309 84.836,32.004 62.992,32.004 60.96,34.036 60.96,56.388 55.372,56.388 55.372,58.42
no net on L4 "L3-No Net 2" (solid, pour order 72): 28.448,68.58
no net on L4 "L3-No Net" (solid, pour order 34): 28.194,68.834
no net on L4 "L3-No Net 1" (solid, pour order 32): 84.76,65.583
GND on L1 "L1-GND 1" (solid, pour order 86): 78.994,25.146 80.772,25.146 80.772,29.464 78.74,29.464 77.47,30.734 77.47,32.258 78.74,32.258 78.74,30.988 79.502,30.226 81.788,30.226 82.804,29.21 82.804,25.146 84.836,25.146 84.836,22.098 87.482,22.098 87.482,18.744 88.955,17.272 94.234,17.272 94.234,10.414 93.218,10.414 93.218,12.192 92.71,12.7 82.296,12.7 76.2,18.796 76.2,22.098 78.994,22.098
GND on L1 "L1-GND 4" (solid, pour order 46): 57.912,65.786 52.197,65.786 52.197,56.134 53.975,56.134 55.88,54.229 57.912,54.229 59.563,55.88 61.087,55.88 61.087,59.563 59.436,59.563 59.436,58.674 57.023,56.261 54.991,56.261 54.991,60.96 57.023,60.96 57.912,61.849
+3 on L1 "L1-+3" (solid, pour order 94): 95.758,40.132 95.758,43.434 98.806,43.434 98.806,40.132
GND on L1 "L1-GND" (solid, pour order 88): 84.836,50.546 85.598,50.546 85.598,56.642 86.614,57.658 89.154,57.658 89.154,56.134 88.9,55.88 87.884,55.88 86.868,54.864 86.868,50.546 88.392,50.546 92.964,45.974 92.964,41.91 95.377,41.91 95.377,36.83 91.567,36.83 91.567,43.561 86.233,48.895 84.836,48.895
+12 on L1 "L1-+12" (solid, pour order 84): 91.618,22.352 85.852,22.352 85.852,25.908 83.312,25.908 83.312,28.956 84.836,28.956 84.836,45.72 88.392,45.72 91.059,43.053 91.059,39.624 88.951,39.624 88.951,27.889 91.618,25.222
+5 on L1 "L1-+5 1" (solid, pour order 82): 66.294,37.084 70.51,37.084 78.638,28.956 80.162,28.956 80.162,26.06 78.918,26.06 77.8,24.943 77.8,22.911 76.149,22.911 75.946,22.708 75.946,17.932 81.686,12.192 89.027,12.192 89.027,9.906 73.406,9.906 66.294,17.018
no net on L1 "L1-No Net 1" (solid, pour order 80): 66.04,37.338
+5 on L1 "L1-+5 2" (solid, pour order 78): 3.048,31.242 6.477,31.242 6.477,29.337 3.048,29.337
+5 on L1 "L1-+5" (solid, pour order 70): 89.027,69.088 92.964,69.088 92.964,66.294 89.027,66.294
no net on L1 "L1-No Net" (solid, pour order 42): 53.086,56.642
GND on L1 "L1-GND 5" (solid, pour order 40): 28.575,74.93 32.131,74.93 32.131,71.882 31.369,71.12 28.575,71.12
GND on L2 (split plane): 101.898,0.102 0.102,0.102 0.102,78.898 101.898,78.898

## Other copper
L4:
  pour cut-out: 65.532,40.132 75.565,40.132 80.721,45.288 86.36,45.288 86.36,37.592 65.532,37.592

## Silkscreen, mask and mechanical layers (free items; w line width, h text height)
Top Overlay:
  text "Virtual Component v1i3" at 58.699,3.632 h1.52
Bottom Overlay:
  drawing of 12 lines, arcs and shapes, not listed
Bottom Solder:
  drawing of 2 lines, arcs and shapes, not listed
Board layout:
  the board outline again, w0.1
ASM Top:
  text "Assembly Top of Virtual Component v1i3" at -2.413,83.82 h3

## Text inside footprints (layer, text, board x,y; h text height)
J3: Top Overlay "16" at 54.864,43.225 h1; Top Overlay "17" at 54.864,40.683 h1; Top Overlay "18" at 54.864,38.142 h1; Top Overlay "19" at 54.864,35.6 h1; Top Overlay "20" at 54.864,33.058 h1; Top Overlay "21" at 54.864,30.516 h1; Top Overlay "27" at 54.864,15.265 h1; Top Overlay "26" at 54.864,17.807 h1; Top Overlay "25" at 54.864,20.349 h1; Top Overlay "24" at 54.864,22.891 h1; Top Overlay "23" at 54.864,25.432 h1; Top Overlay "22" at 54.864,27.974 h1; Top Overlay "30" at 54.864,7.64 h1; Top Overlay "29" at 54.864,10.182 h1; Top Overlay "28" at 54.864,12.723 h1; Top Overlay "13" at 12.7,12.723 h1; Top Overlay "14" at 12.7,10.182 h1; Top Overlay "15" at 12.7,7.64 h1; Top Overlay "7" at 13.533,27.974 h1; Top Overlay "8" at 13.533,25.432 h1; Top Overlay "9" at 13.533,22.891 h1; Top Overlay "10" at 12.7,20.349 h1; Top Overlay "11" at 13.033,17.807 h1; Top Overlay "12" at 12.7,15.265 h1; Top Overlay "6" at 13.533,30.516 h1; Top Overlay "5" at 13.533,33.058 h1; Top Overlay "4" at 13.533,35.6 h1; Top Overlay "3" at 13.533,38.142 h1; Top Overlay "2" at 13.533,40.683 h1; Top Overlay "1" at 13.866,43.225 h1
J4: Top Overlay "1" at 6.274,29.362 h1.52
U6: Top Overlay "N/A" at 78.257,73.914 h1; Top Overlay "N/A" at 69.19,73.939 h1